# Altium PCB PCB1.PcbDoc (part 2 of 2)
Units mm, origin at the board's own origin, x right, y up, seen from the top; angles counter-clockwise.
Board outline 45 x 19 mm, 4 copper layers (Top Layer 1, Top Layer, Bottom Layer, Bottom Layer 1), stack 0.902 mm thick; 62 components, 38 nets, 218 pads, 229 vias.
Unrouted connection lines stored in the file: 1.
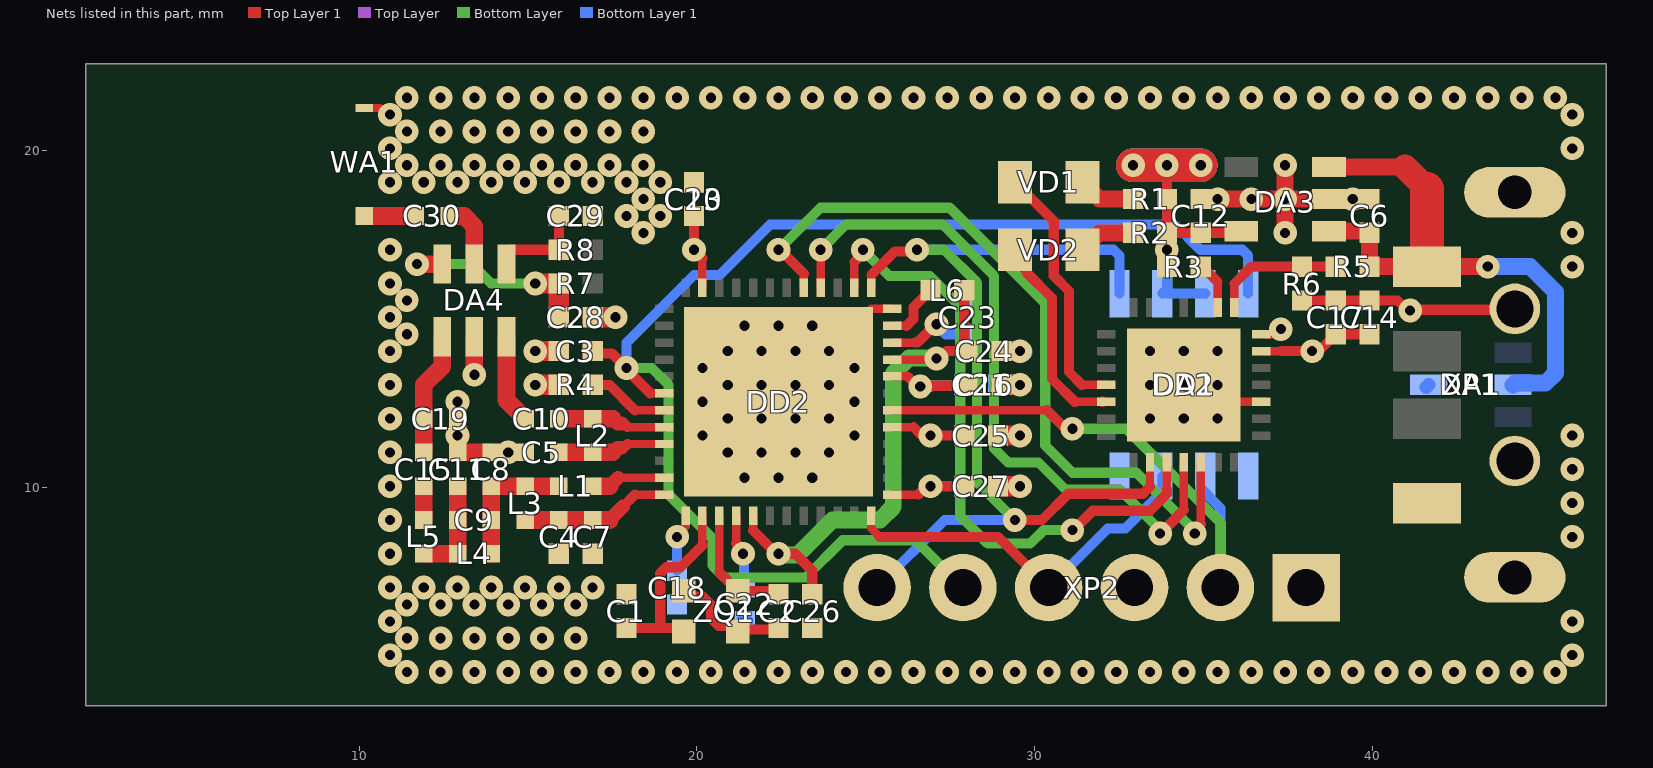
[diagram p4: the nets of this part, all layers, seen from the top]

## Via types
v1: diameter 0.7, hole 0.3, Top Layer 1 to Bottom Layer 1, tented both sides, 187 vias
v2: diameter 0.7, hole 0.3, Top Layer 1 to Bottom Layer 1, tented bottom, 42 vias

## Nets (pads, with @x,y where several pads share a name; then routed paths per layer and width w, separated by ;. In a path a pad name is that pad's centre, name@x,y a point inside that pad or via, vN(x,y) a via of type N, cw(c..) or ccw(c..) an arc to the next point about the centre after c; other vN are vias at no path point) (continued)
DGND: C1.1 C2.1 C3.1 C4.1 C5.1 C6.2 C7.1 C8.1 C11.1 C12.2 C13.2 C14.2 C16.2 C17.2 C18.2 C19.1 C20.2 C21.2 C22.2 C23.2 C24.2 C25.2 C26.2 C27.2 C28.1 C29.1 DA1.2 DA2.5 DA2.8 DA3.2 DA4.2 DD1.3 DD1.29 DD2.48 DD2.49 R4.2 R6.1 XP1.4 XP1.5 XP1.MH1 XP1.MH2 XP2.3 ZQ1.2 ZQ1.4 | length 33.6
  Top Layer 1 w0.235: 10.152,21.242 10.612,21.242
  Top Layer 1 w0.25: DD2.49@22.413,12.55 25.163,15.3 DD2.48@25.787,15.3 ; DD1.29@34.912,12.55 DD1.3@36.812,12.55
  Top Layer 1 w0.3: ZQ1.4@19.613,6.95 19.781,6.782 20.181,6.782 20.412,6.55 20.412,6.15 20.644,5.918 21.044,5.918 ZQ1.2@21.213,5.75 ; ZQ1.2@21.274,5.812 C2.1@22.412,5.812 ; v2(34.412,13.05) DD1.29@34.912,12.55 ; R6.1@37.912,15.55 C17.2@38.912,15.55 40.737,15.55 41.037,15.25 v1(41.112,15.25) 41.137,15.275 44.187,15.275 XP1.MH2@44.212,15.3 ; XP1.MH1@44.162,10.75 XP1.MH1@44.212,10.8
  Top Layer 1 w0.5: C11.1@12.912,11.05 v2(12.912,11.55) C19.1@12.912,12.05 v2(12.912,12.55) ; C8.1@13.912,11.05 v2(14.413,11.05) C5.1@14.912,11.05 ; C12.2@34.912,18.55 v1(35.412,18.55) v1(36.412,18.55) ; v1(36.412,18.55) v1(37.412,18.55) ; v1@37.412,17.658 v1(37.412,18.55) ; v1(37.412,18.55) v1(37.412,19.55) ; DA3.2@38.613,18.55 v1(37.412,18.55) ; DA3.2@38.712,18.55 C6.2@39.912,18.55
  Top Layer 1 w0.52: C11.1@12.912,11.05 C8.1@13.912,11.05 ; v1(13.412,13.35) DA4.2@13.412,14.475
  Top Layer 1 w0.6: v1(15.212,14.05) C3.1@15.912,14.05 ; v1@15.412,13.05 R4.2@15.912,13.05 ; C28.1@16.912,15.05 v1(17.588,15.05) ; C27.2@28.912,10.05 v1@29.412,10.05 ; C25.2@28.912,11.55 v1@29.512,11.55 ; C16.2@29.012,13.05 v1@29.462,13.05 ; C24.2@29.212,14.05 v1(29.562,14.05) v1@29.612,14.05
  Top Layer 1 w1: XP2.3@32.915,7.012 XP2.3@32.952,7.05
  Top Layer w1: XP2.3@32.912,7.09 XP2.3@32.952,7.05
  Bottom Layer 1 w0.4: DA1.2@41.588,12.976 DA1.2@41.662,13.05
  Bottom Layer 1 w0.6: C21.2@28.912,13.05 v1@29.463,13.05 ; v1@29.612,14.05 v1@29.632,14.031
  other v1: 11.412,4.55 12.412,4.55 13.412,4.55 14.412,4.55 15.412,4.55 16.412,4.55 17.412,4.55 18.412,4.55 19.412,4.55 20.412,4.55 21.412,4.55 22.412,4.55 23.412,4.55 24.412,4.55 25.412,4.55 26.412,4.55 27.412,4.55 28.412,4.55 29.412,4.55 30.412,4.55 31.412,4.55 32.412,4.55 33.412,4.55 34.412,4.55 35.412,4.55 36.412,4.55 37.412,4.55 38.412,4.55 39.412,4.55 40.412,4.55 41.412,4.55 42.412,4.55 43.412,4.55 44.412,4.55 45.412,4.55 10.912,5.05 45.912,5.05 11.412,5.55 12.412,5.55 13.412,5.55 14.412,5.55 15.412,5.55 16.412,5.55 10.912,6.05 45.912,6.05 11.412,6.55 12.412,6.55 13.412,6.55 14.412,6.55 15.412,6.55 16.412,6.55 10.912,7.05 11.912,7.05 12.912,7.05 13.912,7.05 14.912,7.05 15.912,7.05 16.912,7.05 10.912,8.05 45.912,8.55 10.912,9.05 45.912,9.55 10.912,10.05 29.562,10.05 45.912,10.55 10.912,11.05 29.562,11.55 45.912,11.55 10.912,12.05 10.912,13.05 15.212,13.05 29.562,13.05 10.912,14.05 11.412,14.55 10.912,15.05 11.412,15.55 10.912,16.05 45.912,16.55 10.912,17.05 18.412,17.55 37.412,17.55 45.912,17.55 17.912,18.05 18.912,18.05 18.412,18.55 10.912,19.05 11.912,19.05 12.912,19.05 13.912,19.05 14.912,19.05 15.912,19.05 16.912,19.05 17.912,19.05 18.912,19.05 11.412,19.55 12.412,19.55 13.412,19.55 14.412,19.55 15.412,19.55 16.412,19.55 17.412,19.55 18.412,19.55 10.912,20.05 45.912,20.05 11.412,20.55 12.412,20.55 13.412,20.55 14.412,20.55 15.412,20.55 16.412,20.55 17.412,20.55 18.412,20.55 10.912,21.05 45.912,21.05 11.412,21.55 12.412,21.55 13.412,21.55 14.412,21.55 15.412,21.55 16.412,21.55 17.412,21.55 18.412,21.55 19.412,21.55 20.412,21.55 21.412,21.55 22.412,21.55 23.412,21.55 24.412,21.55 25.412,21.55 26.412,21.55 27.412,21.55 28.412,21.55 29.412,21.55 30.412,21.55 31.412,21.55 32.412,21.55 33.412,21.55 34.412,21.55 35.412,21.55 36.412,21.55 37.412,21.55 38.412,21.55 39.412,21.55 40.412,21.55 41.412,21.55 42.412,21.55 43.412,21.55 44.412,21.55 45.412,21.55
  other v2: 21.412,10.3 22.412,10.3 23.412,10.3 20.912,11.05 21.912,11.05 22.912,11.05 23.912,11.05 20.162,11.55 24.662,11.55 20.912,12.05 21.912,12.05 22.912,12.05 23.912,12.05 33.412,12.05 34.412,12.05 35.412,12.05 20.162,12.55 24.662,12.55 20.912,13.05 21.912,13.05 22.912,13.05 23.912,13.05 33.412,13.05 35.412,13.05 20.162,13.55 24.662,13.55 20.912,14.05 21.912,14.05 22.912,14.05 23.912,14.05 33.412,14.05 34.412,14.05 35.412,14.05 21.412,14.8 22.412,14.8 23.412,14.8 39.412,18.55
NetC1_2: C1.2 DD2.26 ZQ1.3 | length 5.8
  Top Layer 1 w0.25: 20.162,8.3 DD2.26@20.162,9.175
  Top Layer 1 w0.3: C1.2@18.012,5.95 C1.2@17.912,5.85 18.912,5.85 19.513,5.85 ZQ1.3@19.613,5.75 ; 18.912,6 18.912,7.469 19.093,7.65 19.512,7.65 20.162,8.3
NetC2_2: C2.2 DD2.27 ZQ1.1 | length 3.7
  Top Layer 1 w0.25: 20.663,7.5 20.663,8.755 DD2.27@20.663,9.175
  Top Layer 1 w0.3: 20.663,7.5 ZQ1.1@21.213,6.95 C2.2@22.412,6.95
NetC4_2: C4.2 C7.2 DD2.24 L3.1 | length 4.4
  Top Layer 1 w0.25: 18.162,9.8 DD2.24@19.038,9.8
  Top Layer 1 w0.3: 17.812,9.45 18.162,9.8
  Top Layer 1 w0.41: 17.413,9.05 17.812,9.45
  Top Layer 1 w0.52: L3.1@14.912,9.05 17.413,9.05
NetC5_2: C5.2 DD2.21 L2.1 | length 3.2
  Top Layer 1 w0.25: 17.947,11.3 DD2.21@19.038,11.3
  Top Layer 1 w0.3: 17.762,11.19 17.817,11.245 17.892,11.245 17.947,11.3
  Top Layer 1 w0.41: 17.513,11.05 17.653,11.19 17.762,11.19
  Top Layer 1 w0.52: C5.2@15.912,11.05 L2.1@16.912,11.05 17.513,11.05
NetC8_2: C8.2 C9.2 L1.2 L3.2 L4.1 | length 4
  Top Layer 1 w0.52: L4.1@13.912,8.05 C9.2@13.912,9.05 C8.2@13.912,10.05 L1.2@15.912,10.05
NetC9_1: C9.1 C11.2 L4.2 L5.1 | length 3
  Top Layer 1 w0.52: L5.1@11.912,8.05 L4.2@12.912,8.05 C11.2@12.912,10.05
NetC10_1: C10.1 DA4.3 | length 2.7
  Top Layer 1 w0.52: DA4.3@14.362,14.475 14.362,12.6 C10.1@14.912,12.05
NetC10_2: C10.2 DD2.20 L2.2 | length 3.1
  Top Layer 1 w0.25: 17.947,11.8 DD2.20@19.038,11.8
  Top Layer 1 w0.3: 17.892,11.855 17.947,11.8
  Top Layer 1 w0.41: 17.513,12.05 17.653,11.91 17.763,11.91
  Top Layer 1 w0.52: C10.2@15.912,12.05 L2.2@16.912,12.05 17.513,12.05
NetC15_1: C15.1 L5.2 | length 1
  Top Layer 1 w0.52: L5.2@11.912,9.05 C15.1@11.912,10.05
NetC15_2: C15.2 C19.2 DA4.1 | length 3.7
  Top Layer 1 w0.52: C15.2@11.912,11.05 C19.2@11.912,12.05 11.912,13.05 12.456,13.594 12.462,13.594 DA4.1@12.462,14.475
NetC24_1: C24.1 C26.1 DD2.29 DD2.45 L6.1 | length 16.4
  Top Layer 1 w0.25: 21.663,8.74 21.663,8.962 DD2.29@21.662,9.175 ; DD2.45@25.787,13.8 v1@27.064,13.8
  Top Layer 1 w0.3: 21.663,8.74 22.352,8.05 22.912,8.05 23.412,7.55 C26.1@23.412,7.05 ; v1@27.063,13.8 27.141,13.8 27.391,14.05 27.912,14.05 L6.1@27.912,15.55 ; v1@27.064,13.8 v1(27.093,13.829)
  Bottom Layer w0.5: v1(22.412,8.05) 22.432,8.031 22.502,8.031 22.515,8.018 22.981,8.018 24.012,9.05 25.42,9.05 25.812,9.443 25.812,13.381 26.281,13.85 27.073,13.85 v1(27.093,13.829)
NetC28_2: C28.2 DA4.6 R7.2 | length 6.3
  Top Layer 1 w0.52: v1(11.712,16.625) DA4.6@12.462,16.625 DA4.6@12.462,16.937
  Top Layer 1 w0.6: v1@15.412,16.05 R7.2@15.912,16.05 C28.2@15.912,15.05
  Bottom Layer w0.3: v1(11.712,16.625) 13.337,16.625 13.912,16.05 v1@15.179,16.05
  other v1: 15.212,16.05
NetC29_2: C29.2 DA4.4 R8.2 | length 2.9
  Top Layer 1 w0.3: DA4.4@14.362,16.625 14.362,16.934 14.479,17.05 R8.2@15.912,17.05 C29.2@15.912,18.05
NetC30_1: C30.1 WA1.1 WA1.2 | length 1.5
  Top Layer 1 w0.52: WA1.1@10.152,18.05 C30.1@11.662,18.05
NetC30_2: C30.2 DA4.5 | length 2
  Top Layer 1 w0.52: C30.2@12.662,18.05 13.108,18.05 13.412,17.745 DA4.5@13.412,16.625
NetDD1_8: DD1.8 R5.1 R6.2 | length 3.8
  Top Layer 1 w0.25: DD1.8@35.912,15.45 35.912,16.05
  Top Layer 1 w0.3: 35.912,16.05 36.412,16.55 37.412,16.55 R5.1@38.912,16.55
NetDD1_9: DD1.9 R3.2 | length 1.3
  Top Layer 1 w0.25: DD1.9@35.412,15.45 35.412,16.099
  Top Layer 1 w0.3: R3.2@34.912,16.55 35.062,16.4 35.112,16.4 35.412,16.099
NetDD1_24: DD1.24 DD2.2 | length 18.8
  Top Layer 1 w0.25: DD2.2@24.663,15.925 24.662,16.692 ; 33.912,9.95 DD1.24@33.912,10.582
  Top Layer 1 w0.3: 24.662,16.692 24.912,16.942 v1(24.912,17.05) ; v1(31.112,8.75) 31.138,8.75 31.713,9.325 33.415,9.325 33.912,9.823 33.912,9.95
  Bottom Layer w0.3: v1(24.912,17.05) 25.691,16.271 26.891,16.271 27.793,15.369 27.793,9.169 28.612,8.35 29.862,8.35 30.262,8.75 v1(31.112,8.75)
NetDD1_25: DD1.25 DD2.4 | length 20.4
  Top Layer 1 w0.25: DD2.4@23.663,15.925 v1@23.662,16.774 ; 34.412,9.343 DD1.25@34.412,10.759
  Top Layer 1 w0.3: v1@33.812,8.65 33.812,8.731 33.962,8.881 33.962,8.893 34.412,9.343
  Bottom Layer w0.3: v1(23.662,17.05) 24.407,17.795 27.275,17.795 28.793,16.276 28.793,11.169 29.212,10.75 30.112,10.75 30.912,9.95 32.512,9.95 v1@33.812,8.65
  other v1: 33.712,8.65
NetDD1_26: DD1.26 DD2.5 | length 22.9
  Top Layer 1 w0.25: DD2.5@23.163,15.925 23.163,16.345 ; v1@34.912,8.934 DD1.26@34.912,10.65
  Top Layer 1 w0.3: v1(22.412,17.05) 22.457,17.05 23.163,16.345 ; v1(34.737,8.65) 34.737,8.758 v1@34.912,8.934
  Bottom Layer w0.3: v1(22.412,17.05) 23.657,18.295 27.482,18.295 30.312,15.464 30.312,11.257 31.12,10.45 33.012,10.45 34.737,8.726 v1(34.737,8.65)
NetDD2_19: DD2.19 R4.1 | length 2.4
  Top Layer 1 w0.25: 18.162,12.3 DD2.19@19.038,12.3
  Top Layer 1 w0.3: R4.1@16.912,13.05 17.413,13.05 18.162,12.3
NetDD2_23: DD2.23 L1.1 | length 2.2
  Top Layer 1 w0.25: 17.662,10.3 DD2.23@19.038,10.3
  Top Layer 1 w0.41: 17.413,10.05 17.662,10.3
  Top Layer 1 w0.52: L1.1@16.912,10.05 17.413,10.05
NetDD2_47: DD2.47 L6.2 | length 1.6
  Top Layer 1 w0.25: DD2.47@25.913,14.8 26.207,14.8
  Top Layer 1 w0.3: 26.207,14.8 26.413,15.005 26.413,15.35 L6.2@26.912,15.85
NetR1_2: R1.2 VD1.1 | length 1.8
  Top Layer 1 w0.5: VD1.1@31.412,19.05 31.412,18.925 31.662,18.675 31.787,18.675 31.912,18.55 R1.2@32.912,18.55
NetR2_2: R2.2 VD2.1 | length 1.8
  Top Layer 1 w0.5: VD2.1@31.412,17.05 31.412,17.175 31.662,17.425 31.787,17.425 31.913,17.55 R2.2@32.912,17.55
NRST: C3.2 DA2.4 DD2.18 XP2.5 | length 40.7
  Top Layer 1 w0.25: 18.618,12.8 DD2.18@19.038,12.8
  Top Layer 1 w0.3: C3.2@16.912,14.05 16.981,13.982 17.481,13.982 v1(17.912,13.55) ; v1@17.89,13.528 18.618,12.8
  Bottom Layer w0.3: v1(17.912,13.55) 18.662,13.55 19.162,13.05 19.162,9.8 20.464,8.499 20.464,7.699 20.812,7.35 23.212,7.35 24.312,8.45 26.472,8.45 XP2.5@27.872,7.05
  Bottom Layer 1 w0.3: v1(17.912,13.55) 17.912,14.3 19.912,16.3 20.673,16.3 22.168,17.795 34.157,17.795 34.902,17.05 36.142,17.05 36.317,16.874 DA2.4@36.317,15.75
RXT: DD1.18 VD1.2 | length 7.6
  Top Layer 1 w0.25: 31.392,13.05 DD1.18@32.122,13.05
  Top Layer 1 w0.3: VD1.2@29.412,19.05 29.412,18.925 29.762,18.575 29.887,18.575 30.562,17.9 30.562,16.28 31.012,15.83 31.012,13.43 31.392,13.05
SWCLK: DA2.6 DD2.42 XP2.2 | length 16.1
  Top Layer 1 w0.25: DD2.42@25.787,12.3 30.362,12.3
  Top Layer 1 w0.3: 30.362,12.3 v1@30.912,11.75
  Bottom Layer w0.3: v1@31.068,11.75 32.712,11.75 35.512,8.95 35.512,7.07 XP2.2@35.492,7.05
  Bottom Layer 1 w0.3: DA2.6@34.898,10 35.492,9.405 XP2.2@35.492,7.05
  other v1: 31.112,11.75
SWDIO: DA2.7 DD2.36 XP2.4 | length 11.4
  Top Layer 1 w0.25: DD2.36@25.162,9.175 25.162,8.8 25.412,8.55
  Top Layer 1 w0.3: 25.412,8.55 28.912,8.55 XP2.4@30.412,7.05
  Bottom Layer 1 w0.3: XP2.4@30.412,7.05 32.162,8.8 32.678,8.8 33.603,9.725 33.627,9.725 33.777,9.875 DA2.7@33.777,10.35
SWO: DA2.1 DD1.23 DD2.1 XP2.6 | length 28.8
  Top Layer 1 w0.25: DD2.1@25.162,15.925 25.162,16.3 ; 33.412,10.03 DD1.23@33.412,10.65
  Top Layer 1 w0.3: 25.162,16.3 25.866,17.003 26.366,17.003 v1@26.457,17.095 ; v1(29.412,9.05) 30.212,9.05 30.987,9.825 33.207,9.825 33.412,10.03
  Bottom Layer w0.3: v1(26.512,17.05) 27.312,17.05 28.293,16.069 28.293,10.169 v1(29.412,9.05)
  Bottom Layer 1 w0.3: XP2.6@25.332,7.05 27.332,9.05 v1(29.412,9.05) ; v1(26.512,17.05) 32.332,17.05 32.507,16.874 DA2.1@32.507,15.75
TXT: DD1.19 VD2.2 | length 6.1
  Top Layer 1 w0.25: 31.185,12.55 DD1.19@32.012,12.55
  Top Layer 1 w0.3: VD2.2@29.412,17.05 29.762,16.7 29.762,16.373 30.512,15.623 30.512,13.223 31.185,12.55
VBUS: C6.1 DA1.5 DA3.1 DA3.3 R5.2 XP1.1 | length 16.8
  Top Layer 1 w0.5: DA3.1@38.712,17.6 39.862,17.6 39.909,17.554 C6.1@39.912,17.55 R5.2@39.912,16.55 XP1.1@41.162,16.55 ; DA3.3@38.712,19.5 40.963,19.5 ; XP1.1@41.612,16.55 v1(43.412,16.55)
  Top Layer 1 w0.75: 40.963,19.5 41.612,18.85
  Top Layer 1 w1: XP1.1@41.612,16.55 41.612,18.85
  Bottom Layer 1 w0.5: v1(43.412,16.55) 44.66,16.55 45.412,15.797 45.412,13.393 45.12,13.1 44.709,13.1 44.212,13.1 DA1.5@44.162,13.05
VDD: C12.1 C13.1 C14.1 C16.1 C17.1 C18.1 C20.1 C21.1 C22.1 C23.1 C25.1 C27.1 DA2.2 DA2.3 DA3.5 DD1.6 DD1.7 DD2.11 DD2.25 DD2.28 DD2.37 DD2.41 DD2.44 DD2.46 R1.1 R2.1 R3.1 XP2.1 | length 35.4
  Top Layer 1 w0.25: v1(19.413,8.55) 19.413,8.61 19.662,8.86 DD2.25@19.663,9.175 ; DD2.11@20.162,15.925 20.162,16.148 20.162,16.8 ; 21.162,8.358 DD2.28@21.163,9.175 ; DD2.37@25.787,9.8 26.554,9.8 ; DD2.41@25.787,11.8 26.412,11.8 ; DD2.46@25.787,14.3 26.462,14.3 ; DD2.44@25.787,13.3 26.237,13.299 ; DD1.6@36.812,14.05 37.287,14.05 ; DD1.7@36.812,14.55 v1@37.287,14.55
  Top Layer 1 w0.299: 26.237,13.299 26.486,13.05 26.562,13.05 26.587,13.025 v1(26.612,13) ; 26.554,9.8 26.804,10.05 v1(26.912,10.05)
  Top Layer 1 w0.3: C13.1@19.912,18.05 v1(19.912,17.05) 20.162,16.8 ; 21.162,8.358 21.362,8.158 v1(21.362,8.05) ; 26.412,11.8 v1@26.624,11.588 ; 26.463,14.3 26.525,14.3 27.067,14.843 v1(27.093,14.843) ; v1@26.486,13.05 26.511,13.025 26.587,13.025 27.987,13.025 C16.1@28.012,13.05 ; v1(26.912,10.05) C27.1@27.912,10.05 ; v1(26.912,11.55) C25.1@27.644,11.55 ; R3.1@33.912,16.55 v2(33.912,17.05) R2.1@33.912,17.55 ; v1(33.912,19.55) R2.1@33.912,17.55 ; C12.1@34.912,17.55 R2.1@33.912,17.55 ; C12.1@34.917,17.554 DA3.5@36.067,17.554 ; v1@37.211,14.623 v1(37.287,14.7) ; 37.287,14.05 v1(38.212,14.05) 38.289,14.127 38.489,14.127 C17.1@38.912,14.55 C14.1@39.912,14.55
  Top Layer 1 w1: v1(32.912,19.55) v1(33.912,19.55) v1(34.912,19.55) ; XP2.1@38.012,7.07 XP2.1@38.032,7.05
  Top Layer w0.3: v1@26.812,10.204 26.912,10.104 v1(26.912,10.05) v1@26.867,10.05 ; v1@26.867,13.05 26.912,13.05 v1@26.912,12.996 ; v1@27.093,14.734 v1(27.093,14.843)
  Bottom Layer w1: v1(32.912,19.55) v1(33.912,19.55) v1(34.912,19.55)
  Bottom Layer 1 w0.3: C18.1@19.412,7.55 v1(19.413,8.55) ; v1(19.912,17.05) C20.1@19.912,18.05 ; v1(21.362,8.05) 21.387,8.025 21.387,7.075 C22.1@21.412,7.05 ; v1(26.612,13) 26.637,13.025 27.887,13.025 C21.1@27.912,13.05 ; v1(27.093,14.843) 27.093,14.822 27.365,14.55 C23.1@27.912,14.55 ; DA2.2@33.777,15.75 33.912,15.885 v2(33.912,17.05) ; DA2.2@33.916,15.75 DA2.3@35.047,15.75
  Bottom Layer 1 w1: v1(32.912,19.55) v1(33.912,19.55) v1(34.912,19.55)
pads on no net: DA2.28 DA3. DA3.4 DD1.1 DD1.2 DD1.10 DD1.11 DD1.12 DD1.13 DD1.14 DD1.15 DD1.16 DD1.17 DD1.20 DD1.21 DD1.22 DD1.27 DD1.28 DD2.3 DD2.6 DD2.7 DD2.8 DD2.9 DD2.10 DD2.12 DD2.15 DD2.16 DD2.17 DD2.22 DD2.30 DD2.31 DD2.32 DD2.33 DD2.34 DD2.35 DD2.38 DD2.39 DD2.40 DD2.43 ZQ1.

## Polygon pours and split planes (outlines as drawn)
VDD on Top Layer "VDD_L02_P005" (solid, remove dead copper, pour order 5): 19.412,5.55 19.412,20.05 39.162,20.05 39.162,5.55
DGND on Top Layer "DGND_L02_P007" (solid, pour order 7): 10.412,3.55 10.412,22.55 46.962,22.55 46.962,3.55
DGND on Top Layer "DGND_L02_P010" (solid, pour order 10): 25.412,9.55 25.412,15.55 19.412,15.55 19.412,9.55
DGND on Top Layer "DGND_L02_P012" (solid, pour order 12): 36.112,11.35 36.112,14.75 32.712,14.75 32.712,11.35
DGND on Top Layer 1 "DGND_L01_P006" (solid, remove dead copper, pour order 6): 10.412,3.55 10.412,22.55 46.912,22.55 46.912,3.55
DGND on Bottom Layer 1 "DGND_L04_P002" (solid, remove dead copper, pour order 2): 46.912,3.55 46.912,22.55 10.412,22.55 10.412,3.55
DGND on Bottom Layer "DGND_L03_P004" (solid, remove dead copper, pour order 4): 10.412,3.55 10.412,22.55 46.912,22.55 46.912,3.55

## Other copper
Top Layer 1:
  pour cut-out: 42.812,14.192 42.812,12.692 42.312,12.692
  pour cut-out: 14.575,16.456 14.491,16.54 11.996,16.54 11.996,13.965 12.021,13.94
  pour cut-out: 25.332,5.846 25.291,5.805 23.667,5.805 23.667,6.595 23.562,6.7
  pour cut-out: 29.162,17.8 29.162,19.875 31.237,19.875
  pour cut-out: 35.412,17.3 35.412,20.05 39.162,20.05 39.162,17.3
  pour cut-out: 36.337,14.725 36.337,11.506 32.713,11.375 32.713,14.725
  pour cut-out: 28.912,12.05 28.912,9.049 29.849,8.112 31.35,8.112 31.412,8.05 31.537,8.175 31.537,12.05
Top Layer:
  pour cut-out: 19.209,8.952 19.209,15.758 19.396,15.758 19.412,15.775 19.412,9.05
  pour cut-out: 19.209,8.952 19.209,15.758 19.396,15.758 19.412,15.775 19.412,9.05
Bottom Layer:
  pour cut-out: 26.272,9.003 26.979,9.709 27.279,9.709 27.279,9.683 27.912,9.05
  pour cut-out: 31.912,7.55 32.912,8.55 31.912,8.55 29.912,10.55 28.912,9.55

## Silkscreen, mask and mechanical layers (free items; w line width, h text height)
Mechanical 1:
  the board outline again, w0.1
Mechanical 7:
  lines w0.254: 85,2400.579 265,2400.579 265,2404.579 85,2404.579 85,2400.579
  text "BOASFORMAT|А2|1|0|834645670|233858267|1000000000|2,5:1|" at -20.4,2516.6 h0
  text "ИУ4.11.03.03.21.63.14.002" at 56.2,2506.3 h6 r180
  text "Слой 1" at 105,2504.579 h9.5
  text "DimOs|15472441|965314960|69960630|993503937" at 10.6,2427.5 h0
  text "А" at 207.5,2411.579 h9.5
  text "DimV|0|-1574803|112362205|955897082|2755905|2134414|2,5||||js12|False|True|False|False|2" at 265,2404.579 h0
  text "Слой 2" at 105,2389.579 h9.5
  text "А" at 207.5,2389.579 h9.5
  text "А-А(25:1)" at 463,2388.5 h9.5
  text "ИУ4.11.03.03.21.63.14.001" at -3,2341 h4.6 r90
  text "Слой 3" at 105,2294.579 h9.5
  text "Слой 4" at 105,2199.579 h9.5
  text "DimH|-44291339|-39370|135000000|962007874|-23464567|-3661418|2,5||±||js12|False|True|False|False|2" at 176.1,2196.379 h0 r90
  text "DimV|-39370|-18700787|66535433|962952755|3307087|-11692913|2,5||±||js12|False|True|False|False|2" at 127.2,2194.679 h0 r90
  text "DimV|24032|-29890624|112314432|871212672|2803678|-13968578|4||||js12|False|True|False|False|2" at 264.879,2189.48 h0
  text "1. Общие допуски формы и расположения - 30893.2-2002 - H. / 2. Шаг координатной сетки 0,05мм ГОСТ Р 51040-97 / 3. Плату изготовить методом сквозной металлизации и попарного прессования. / 4. Класс точности платы по ГОСТ Р 53429-2009 - 3. / 5. Параметры отверстий платы приведены в таблице 1. / 6. Плата должна соответствовать ГОСТ 23752-79, группа жесткости - 1. / 7. Финишное покрытие метализированных поверхностей меди по ГОСТ 9.301-86 толщиной не более 500мкм флюсом ЛТИ-120 ГОСТ 19250-73 и припоем ПОС-61 ГОСТ 21930-76. / 8. Контроль функциональный ручным методом по ГОСТ 23752.1-92. / 9. Остальные технические требования по ОСТ 4 ГО.070.014-75." at 383.6,2160 h6
  text "ИУ4.11.03.03.21.63.14.002" at 478.8,2146.9 h9.5
  text "DimH|-944882|0|77874016|911771653|3622047|2204725|2,5||||js12|False|False|False|False|2" at 194.2,2130.779 h0
  text "Круглов В. С." at 401.4,2127.2 h4.4
  text "LoRa-USB адаптер" at 463.9,2127.2 h6
  text "Плата печатная" at 469.8,2123.2 h4.6
  text "Чистяков М. Г." at 401.4,2122.2 h4.4
  text "DimH|-70866142|0|112362205|841496063|-36614174|-3149607|4||||js12|False|True|False|False|2" at 265,2114 h0
  text "у" at 554.963,2112.454 h4.6
  text "М" at 527.171,2112.431 h4.6
  text "Г" at 529.414,2112.431 h4.6
  text "Т" at 531.15,2112.431 h4.6
  text "У" at 533.14,2112.431 h4.6
  text "и" at 536.611,2112.431 h4.6
  text "м" at 538.347,2112.431 h4.6
  text "." at 540.337,2112.431 h4.6
  text "Н" at 542.559,2112.431 h4.6
  text "." at 544.549,2112.431 h4.6
  text "Э" at 546.772,2112.431 h4.6
  text "." at 548.761,2112.431 h4.6
  text "Б" at 550.984,2112.431 h4.6
  text "а" at 552.974,2112.431 h4.6
  text "м" at 556.699,2112.431 h4.6
  text "а" at 558.689,2112.431 h4.6
  text "н" at 560.679,2112.431 h4.6
  text "а" at 562.414,2112.431 h4.6
  text "ф" at 539.896,2108.453 h4.6
  text "р" at 545.611,2108.453 h4.6
  text "К" at 536.17,2108.431 h4.6
  text "а" at 537.906,2108.431 h4.6
  text "е" at 542.14,2108.431 h4.6
  text "д" at 543.875,2108.431 h4.6
  text "а" at 547.347,2108.431 h4.6
  text "И" at 550.818,2108.431 h4.6
  text "У" at 552.808,2108.431 h4.6
  text "4" at 554.798,2108.431 h4.6
  text "Стеклотекстолит FR4-Tg150 / IPC-4101/99" at 453.313,2105.5 h4.6
  text "р" at 534.899,2104.453 h4.6
  text "у" at 536.635,2104.453 h4.6
  text "Г" at 533.159,2104.43 h4.6
  text "п" at 538.37,2104.43 h4.6
  text "п" at 540.106,2104.43 h4.6
  text "а" at 541.842,2104.43 h4.6
  text "И" at 545.313,2104.43 h4.6
  text "У" at 547.303,2104.43 h4.6
  text "4" at 549.293,2104.43 h4.6
  text "6" at 553.018,2104.43 h4.6
  text "3" at 554.754,2104.43 h4.6
  text "Б" at 556.49,2104.43 h4.6
  text "-" at 551.283,2104.411 h4.6
  text "SET2|Superlayer=MechanicalLayer7|Wsuperlayer=MechanicalLayer8|Layergrid=MechanicalLayer9|Werase=MechanicalLayer11|Layermark=MechanicalLayer12|Layerstamp=MechanicalLayer13|Thinline=0,15|Basicline=0,3|Gridline=0,15|Boardline=0,6|Contourpolygonline=0,3|PcbGridStep=1|PcbGridNumbering=True|PcbGridCleareanceAtView=0|PcbGridNumberEach=l3|PcbGridLineEach=l1|PcbGridCountSecondaryStrip=29|PcbGridEnabledStrip=True|PcbGridHorizontal90=True|PcbGridWhiteAreaBeforeText=False|PcbSignalGridEnabled=True|PcbSignalShowBukva=False|RealSignalLayerNames=False|PcbGridEnabledBothSide=False|PcbPolarGridEnabled=False|PcbPolarGridAngleStep=10|PcbPolarGridRadialStep=10|PcbPolarGridCenterPcbGrid=False|SilkShowPad=True|SilkViewName=Слой маркировки|SilkShowHole=True|SilkShowAxis=True|SilkShowBukva=True|SilkShowGrid=False|SolderShowGrid=False|SolderViewName=Слой маски|SolderShowAxis=False|SolderShowBukva=False|MainViewShowGrid=False|MainViewMinDiameterHoles=2|MainViewUseShapesDrill=True|ShowBukvaOnSboky=True|ShowBukvaViews=True|Density=2,2|CustomHoleSizeFactor=2|TableName=Таблица 1|RazrezWidth=100|RealLayerNames=False|RazrezShowBukva=False|RazrezBukva=|Sher=Ra 25|Asstoplayer=MechanicalLayer1|Asstoplayer2=None|Assbottomlayer=MechanicalLayer2|Assbottomlayer2=None|AssMinDiameterHoles=2|AssDim=False|AssMech=False|AssSilk=False|AssComponentSilk=False|AssFreeSilk=False|AssSmdPads=False|AssGridEnable=False|AssShowBukva=True|Mirror=Horisontal|PcbGridFontSize=1,8|PcbGridCenterZero=False|TTStampDistance=12|MainFontSize=3,5|PolyShtrihEnable=True|RegionShtrihEnable=True|PolyStep=2|PcbDrillDrawingGridEnabled=False|PcbDrillDrawingViewName=Слой сверловки|PcbDrillDrawingShowBukva=False|PcbDrillDrawingShowAxis=False|PcbSignalLayersUseDrill=True|PcbSignalLayersUseWhiteHoles=True|PcbSignalLayersUseShapesDrill=True|PcbSignalLayersShowAxis=True" at -20.4,-23.375 h0
  text "BOASVIADRILLTABLE:circle1010,118110,229,js12" at -20.4,-23.4 h0
  text "2BOASDRILLTABLE:none,393701,Да,2,True,js13|circle0100,433071,Да,8,True,js13" at -20.4,-23.4 h0
Mechanical 8:
  drawing of 20 lines, arcs and shapes, not listed
Mechanical 9:
  region: 272,2400.579 272.658,2395.579 272,2396.079 271.342,2395.579
  region: 272,2404.579 271.342,2409.579 272,2409.079 272.658,2409.579
  region: 265,2106 260,2105.342 260.5,2106 260,2106.658
  region: 85,2106 90,2106.658 89.5,2106 90,2105.342
  region: 272,2189.48 272.658,2184.48 272,2184.98 271.342,2184.48
  region: 272,2113.558 271.342,2118.558 272,2118.058 272.658,2118.558
  region: 229.25,2392.079 221.75,2391.091 222.5,2392.079 221.75,2393.066
  region: 229.25,2414.079 221.75,2413.091 222.5,2414.079 221.75,2415.066
  lines w0.15: 85,2105 85,2114 ; 85,2106 265,2106 ; 214.25,2392.079 229.25,2392.079 ; 214.25,2414.079 229.25,2414.079 ; 264.879,2189.48 273,2189.48 ; 264.94,2113.558 273,2113.558 ; 265,2105 265,2114 ; 265,2400.579 273,2400.579 ; 265,2404.579 273,2404.579 ; 272,2113.558 272,2189.48 ; 272,2392.579 272,2428.979
  lines w0.75: 230,2387.079 230,2397.079 ; 230,2409.079 230,2419.079
  text "1±0,2" at 269.47,2410.459 h4.4 r90
  text "18,98±0,105" at 269.47,2141.324 h4.4 r90
  text "45±0,125" at 166.884,2108.53 h4.4
Mechanical 13:
  lines w0.15: 383.6,2106.6 448.6,2106.6 ; 383.6,2111.6 448.6,2111.6 ; 383.6,2116.6 448.6,2116.6 ; 383.6,2121.6 448.6,2121.6 ; 383.6,2126.6 448.6,2126.6 ; 383.6,2141.6 448.6,2141.6 ; 383.6,2146.6 448.6,2146.6 ; 383.6,2151.6 448.6,2151.6 ; 523.56,2121.6 523.56,2136.6 ; 528.58,2121.6 528.58,2136.6 ; 545.3,2498.7 548.4,2493.3 554,2503.1 ; -20.4,2096.6 573.6,2096.6 573.6,2516.6 -20.4,2516.6 -20.4,2096.6
  lines w0.3: -12.4,2126.6 -0.4,2126.6 ; -12.4,2161.6 -0.4,2161.6 ; -12.4,2186.6 -0.4,2186.6 ; -12.4,2211.6 -0.4,2211.6 ; -12.4,2328.6 -0.4,2328.6 ; -7.4,2101.6 -7.4,2246.6 ; -7.4,2268.6 -7.4,2388.6 ; -0.4,2246.6 -12.4,2246.6 -12.4,2101.6 -0.4,2101.6 ; -0.4,2268.6 -12.4,2268.6 -12.4,2388.6 -0.4,2388.6 ; -0.4,2497.6 69.6,2497.6 69.6,2511.6 ; 383.6,2101.6 383.6,2156.6 568.6,2156.6 ; 383.6,2131.6 448.6,2131.6 ; 383.6,2136.6 448.6,2136.6 ; 390.6,2131.6 390.6,2156.6 ; 400.6,2101.6 400.6,2156.6 ; 423.6,2101.6 423.6,2156.6 ; 438.6,2101.6 438.6,2156.6 ; 448.6,2101.6 448.6,2156.6 568.6,2156.6 ; 448.6,2116.6 518.6,2116.6 568.6,2116.6 ; 448.6,2141.6 568.6,2141.6 ; 505.6,2500.6 510.6,2491.6 518.2,2505.6 ; 518.3,2505.6 560.6,2505.6 ; 518.6,2101.6 518.6,2141.6 ; 518.6,2121.6 568.6,2121.6 ; 518.6,2136.6 533.6,2136.6 568.6,2136.6 ; 533.6,2121.6 533.6,2141.6 ; 539.17,2116.6 539.17,2121.6 ; 550.6,2121.6 550.6,2141.6 ; 568.6,2164.6 568.6,2156.6 ; -0.4,2101.6 568.6,2101.6 568.6,2511.6 -0.4,2511.6 -0.4,2101.6
  text "Ra 25" at 518.3,2493.3 h10.75
  text "(" at 541.6,2493.3 h10.75
  text ")" at 552.6,2493.3 h10.75
  text "Перв. примен." at -8.362,2348.579 h5.38 r90
  text "Справ. №" at -8.362,2291.104 h5.38 r90
  text "Подп. и дата" at -8.362,2219.171 h5.38 r90
  text "Инв. № дубл." at -8.362,2189.686 h5.38 r90
  text "Взам. инв. №" at -8.362,2164.708 h5.38 r90
  text "Лит." at 522.794,2137.562 h5.38
  text "Масса" at 537.516,2137.562 h5.38
  text "Масштаб" at 552.436,2137.562 h5.38
  text "Подп. и дата" at -8.362,2134.671 h5.38 r90
  text "Изм." at 384.169,2132.562 h5.38
  text "Лист" at 391.458,2132.562 h5.38
  text "№ докум." at 405.6,2132.562 h5.38
  text "Подп." at 427.373,2132.562 h5.38
  text "Дата" at 439.393,2132.562 h5.38
  text "Разраб." at 384.133,2127.371 h5.38
  text "4:1" at 555.725,2127.075 h7.68
  text "Пров." at 384.133,2122.371 h5.38
  text "Т.контр." at 384.133,2117.371 h5.38
  text "Лист" at 520.042,2117.371 h5.38
  text "Листов" at 541.085,2117.371 h5.38
  text "1" at 561,2117.371 h5.38
  text "Н.контр." at 384.133,2107.371 h5.38
  text "Инв. № подл." at -8.362,2104.686 h5.38 r90
  text "Утв." at 384.133,2102.371 h5.38
  text "Копировал" at 459.133,2097.371 h5.38
  text "Формат А2" at 539.721,2097.371 h5.38

## Text inside footprints (layer, text, board x,y; h text height)
XP1: Mechanical 1 "PCB EDGE" at 46.752,14.32 h0.5 r90
ZBOAS414987125: Mechanical 7 "45" at 265.901,2195.277 h3.15 r90; Mechanical 7 "42" at 253.901,2195.251 h3.15 r90; Mechanical 7 "39" at 241.901,2195.239 h3.15 r90; Mechanical 7 "36" at 229.901,2195.402 h3.15 r90; Mechanical 7 "33" at 217.901,2195.432 h3.15 r90; Mechanical 7 "30" at 205.901,2195.239 h3.15 r90; Mechanical 7 "27" at 193.901,2195.015 h3.15 r90; Mechanical 7 "24" at 181.901,2195.452 h3.15 r90; Mechanical 7 "21" at 169.901,2195.405 h3.15 r90; Mechanical 7 "18" at 157.901,2195.948 h3.15 r90; Mechanical 7 "15" at 145.901,2195.919 h3.15 r90; Mechanical 7 "12" at 133.901,2195.892 h3.15 r90; Mechanical 7 "9" at 121.901,2196.525 h3.15 r90; Mechanical 7 "6" at 109.901,2196.525 h3.15 r90; Mechanical 7 "3" at 97.901,2196.461 h3.15 r90; Mechanical 7 "0" at 85.901,2196.362 h3.15 r90; Mechanical 7 "18" at 79.294,2116.678 h3.15; Mechanical 7 "15" at 79.265,2128.678 h3.15; Mechanical 7 "12" at 79.239,2140.678 h3.15; Mechanical 7 "9" at 79.872,2152.678 h3.15; Mechanical 7 "6" at 79.872,2164.678 h3.15; Mechanical 7 "3" at 79.807,2176.678 h3.15; Mechanical 7 "0" at 79.708,2188.678 h3.15
ZBOAS414990865: Mechanical 7 "45" at 265.901,2290.277 h3.15 r90; Mechanical 7 "42" at 253.901,2290.251 h3.15 r90; Mechanical 7 "39" at 241.901,2290.239 h3.15 r90; Mechanical 7 "36" at 229.901,2290.402 h3.15 r90; Mechanical 7 "33" at 217.901,2290.432 h3.15 r90; Mechanical 7 "30" at 205.901,2290.239 h3.15 r90; Mechanical 7 "27" at 193.901,2290.015 h3.15 r90; Mechanical 7 "24" at 181.901,2290.452 h3.15 r90; Mechanical 7 "21" at 169.901,2290.405 h3.15 r90; Mechanical 7 "18" at 157.901,2290.948 h3.15 r90; Mechanical 7 "15" at 145.901,2290.919 h3.15 r90; Mechanical 7 "12" at 133.901,2290.892 h3.15 r90; Mechanical 7 "9" at 121.901,2291.525 h3.15 r90; Mechanical 7 "6" at 109.901,2291.525 h3.15 r90; Mechanical 7 "3" at 97.901,2291.461 h3.15 r90; Mechanical 7 "0" at 85.901,2291.362 h3.15 r90; Mechanical 7 "18" at 79.294,2211.678 h3.15; Mechanical 7 "15" at 79.265,2223.678 h3.15; Mechanical 7 "12" at 79.239,2235.678 h3.15; Mechanical 7 "9" at 79.872,2247.678 h3.15; Mechanical 7 "6" at 79.872,2259.678 h3.15; Mechanical 7 "3" at 79.807,2271.678 h3.15; Mechanical 7 "0" at 79.708,2283.678 h3.15
ZBOAS414994622: Mechanical 7 "45" at 265.901,2385.699 h3.15 r90; Mechanical 7 "42" at 253.901,2385.672 h3.15 r90; Mechanical 7 "39" at 241.901,2385.661 h3.15 r90; Mechanical 7 "36" at 229.901,2385.824 h3.15 r90; Mechanical 7 "33" at 217.901,2385.853 h3.15 r90; Mechanical 7 "30" at 205.901,2385.661 h3.15 r90; Mechanical 7 "27" at 193.901,2385.436 h3.15 r90; Mechanical 7 "24" at 181.901,2385.873 h3.15 r90; Mechanical 7 "21" at 169.901,2385.827 h3.15 r90; Mechanical 7 "18" at 157.901,2386.369 h3.15 r90; Mechanical 7 "15" at 145.901,2386.34 h3.15 r90; Mechanical 7 "12" at 133.901,2386.314 h3.15 r90; Mechanical 7 "9" at 121.901,2386.947 h3.15 r90; Mechanical 7 "6" at 109.901,2386.947 h3.15 r90; Mechanical 7 "3" at 97.901,2386.882 h3.15 r90; Mechanical 7 "0" at 85.901,2386.783 h3.15 r90; Mechanical 7 "18" at 79.294,2307.099 h3.15; Mechanical 7 "15" at 79.265,2319.099 h3.15; Mechanical 7 "12" at 79.239,2331.099 h3.15; Mechanical 7 "9" at 79.872,2343.099 h3.15; Mechanical 7 "6" at 79.872,2355.099 h3.15; Mechanical 7 "3" at 79.807,2367.099 h3.15; Mechanical 7 "0" at 79.708,2379.099 h3.15
ZBOAS414996377: Mechanical 7 "45" at 265.901,2421.127 h3.15 r90; Mechanical 7 "42" at 253.901,2421.101 h3.15 r90; Mechanical 7 "39" at 241.901,2421.089 h3.15 r90; Mechanical 7 "36" at 229.901,2421.253 h3.15 r90; Mechanical 7 "33" at 217.901,2421.282 h3.15 r90; Mechanical 7 "30" at 205.901,2421.089 h3.15 r90; Mechanical 7 "27" at 193.901,2420.865 h3.15 r90; Mechanical 7 "24" at 181.901,2421.302 h3.15 r90; Mechanical 7 "21" at 169.901,2421.255 h3.15 r90; Mechanical 7 "18" at 157.901,2421.798 h3.15 r90; Mechanical 7 "15" at 145.901,2421.769 h3.15 r90; Mechanical 7 "12" at 133.901,2421.742 h3.15 r90; Mechanical 7 "9" at 121.901,2422.375 h3.15 r90; Mechanical 7 "6" at 109.901,2422.375 h3.15 r90; Mechanical 7 "3" at 97.901,2422.311 h3.15 r90; Mechanical 7 "0" at 85.901,2422.212 h3.15 r90; Mechanical 7 "18" at 79.294,2495.678 h3.15; Mechanical 7 "15" at 79.265,2483.678 h3.15; Mechanical 7 "12" at 79.239,2471.678 h3.15; Mechanical 7 "9" at 79.872,2459.678 h3.15; Mechanical 7 "6" at 79.872,2447.678 h3.15; Mechanical 7 "3" at 79.807,2435.678 h3.15; Mechanical 7 "0" at 79.708,2423.678 h3.15
ZBOAS1590198362: Mechanical 12 "2,0" at 477.5,2439.337 h5.38; Mechanical 12 "Да" at 513.88,2439.337 h5.38; Mechanical 12 "1,1±0,07" at 436.733,2439.337 h5.38; Mechanical 12 "8" at 542.453,2439.337 h5.38; Mechanical 12 "1,5" at 478.189,2449.962 h5.38; Mechanical 12 "Да" at 513.88,2449.962 h5.38; Mechanical 12 "1±0,07" at 437.723,2449.962 h5.38; Mechanical 12 "2" at 542.326,2449.962 h5.38; Mechanical 12 "0,7" at 477.497,2458.212 h5.38; Mechanical 12 "Да" at 513.88,2458.212 h5.38; Mechanical 12 "0,3±0,05" at 436.046,2458.212 h5.38; Mechanical 12 "229" at 540.343,2458.212 h5.38; Mechanical 12 "отв." at 540.465,2464.462 h5.38; Mechanical 12 "Кол." at 540.619,2470.462 h5.38; Mechanical 12 "металлизации" at 504.827,2464.462 h5.38; Mechanical 12 "Наличие" at 509.668,2470.462 h5.38; Mechanical 12 "площадки, мм" at 469.516,2464.462 h5.38; Mechanical 12 "Диаметр контактной" at 463,2470.462 h5.38; Mechanical 12 "мм" at 440.39,2464.462 h5.38; Mechanical 12 "Диаметр отв.," at 431.675,2470.462 h5.38; Mechanical 12 "обозначение отв." at 390.282,2464.462 h5.38; Mechanical 12 "Условное" at 396.312,2470.462 h5.38; Mechanical 12 "Таблица 1" at 383.5,2476.5 h5.38
ZBOAS1765394661: Mechanical 12 "Слой 4" at 405.173,2339.54 h5.38; Mechanical 12 "Слой 3" at 404.919,2347.49 h5.38; Mechanical 12 "Слой 2" at 404.605,2393.69 h5.38; Mechanical 12 "Слой 1" at 405.093,2401.64 h5.38